# Altium PCB Slave.PcbDoc (part 11 of 12)
Units mm, origin at the board's own origin, x right, y up, seen from the top; angles counter-clockwise.
Board outline 380 x 63 mm, 4 copper layers (Top Copper, Signal Layer 1, Signal Layer 2, Bottom Copper), stack 1.586 mm thick; 265 components, 193 nets, 745 pads, 28205 vias.
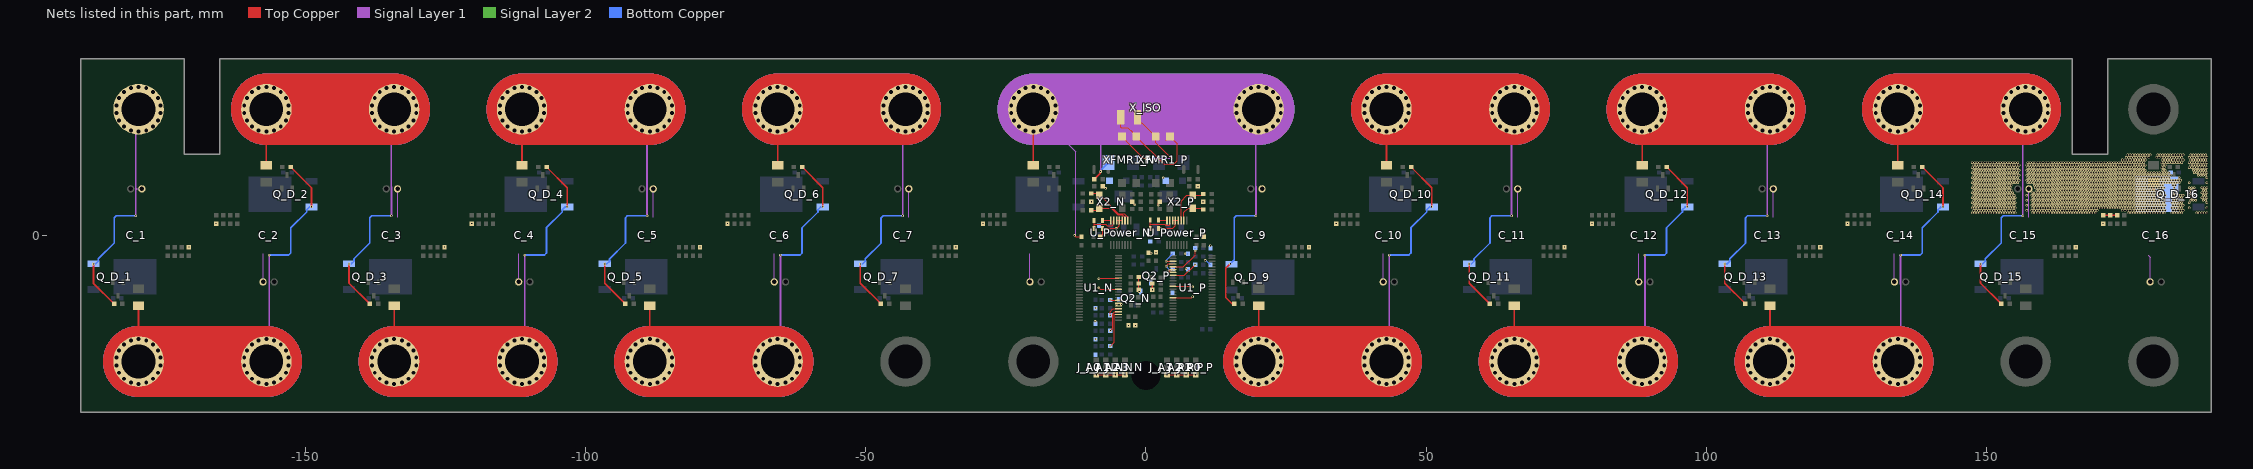
[diagram p13: the nets of this part, all layers, seen from the top]

## Via types
v1: diameter 0.45, hole 0.297, Top Copper to Bottom Copper, tented both sides, 27372 vias
v2: diameter 1, hole 0.7, Top Copper to Bottom Copper, 576 vias
v3: diameter 0.45, hole 0.2, Top Copper to Bottom Copper, 257 vias

## Nets (pads, with @x,y where several pads share a name; then routed paths per layer and width w, separated by ;. In a path a pad name is that pad's centre, name@x,y a point inside that pad or via, vN(x,y) a via of type N, cw(c..) or ccw(c..) an arc to the next point about the centre after c; other vN are vias at no path point) (continued)
F_16: C_V_16.2 F_V_16.2 PTC_16.2 Q_D_16.2 R_D_LED_16.2 R_Input_16.1 | length 3.9
  Top Copper w0.254: C_V_16.2@170.75,3.6 R_Input_16.1@172,3.6 R_D_LED_16.2@173.25,3.6
  Top Copper w0.305: v1@179.725,8.1 F_V_16.2@179.725,9.48
  other v1: 147.399,4 147.849,4 148.299,4 148.749,4 149.199,4 149.649,4 150.099,4 150.549,4 150.999,4 151.449,4 151.899,4 152.349,4 152.799,4 153.249,4 153.699,4 154.149,4 154.599,4 155.049,4 158.199,4 158.649,4 159.099,4 159.549,4 159.999,4 160.449,4 160.899,4 161.349,4 161.799,4 162.249,4 162.699,4 163.149,4 163.599,4 164.049,4 164.499,4 164.949,4 165.399,4 165.849,4 166.299,4 166.749,4 167.199,4 167.649,4 168.099,4 168.549,4 168.999,4 169.449,4 175.299,4 175.749,4 176.199,4 176.649,4 177.099,4 177.549,4 177.999,4 178.449,4 178.899,4 179.349,4 179.799,4 180.249,4 180.699,4 181.149,4 181.599,4 182.949,4 183.399,4 183.849,4 184.299,4 184.749,4 187.449,4 187.899,4 188.349,4 188.799,4 189.249,4 147.624,4.45 148.074,4.45 148.524,4.45 148.974,4.45 149.424,4.45 149.874,4.45 150.324,4.45 150.774,4.45 151.224,4.45 151.674,4.45 152.124,4.45 152.574,4.45 153.024,4.45 153.474,4.45 153.924,4.45 154.374,4.45 154.824,4.45 157.074,4.45 157.974,4.45 158.424,4.45 158.874,4.45 159.324,4.45 159.774,4.45 160.224,4.45 160.674,4.45 161.124,4.45 161.574,4.45 162.024,4.45 162.474,4.45 162.924,4.45 163.374,4.45 163.824,4.45 164.274,4.45 164.724,4.45 165.174,4.45 165.624,4.45 166.074,4.45 166.524,4.45 166.974,4.45 167.424,4.45 167.874,4.45 168.324,4.45 168.774,4.45 169.224,4.45 169.674,4.45 174.174,4.45 174.624,4.45 175.074,4.45 175.524,4.45 175.974,4.45 176.424,4.45 176.874,4.45 177.324,4.45 177.774,4.45 178.224,4.45 178.674,4.45 179.124,4.45 179.574,4.45 180.024,4.45 180.474,4.45 180.924,4.45 181.374,4.45 181.824,4.45 183.174,4.45 183.624,4.45 184.074,4.45 184.524,4.45 184.974,4.45 147.399,4.9 147.849,4.9 148.299,4.9 148.749,4.9 149.199,4.9 149.649,4.9 150.099,4.9 150.549,4.9 150.999,4.9 151.449,4.9 151.899,4.9 152.349,4.9 152.799,4.9 153.249,4.9 153.699,4.9 154.149,4.9 154.599,4.9 155.049,4.9 158.199,4.9 158.649,4.9 159.099,4.9 159.549,4.9 159.999,4.9 160.449,4.9 160.899,4.9 161.349,4.9 161.799,4.9 162.249,4.9 162.699,4.9 163.149,4.9 163.599,4.9 164.049,4.9 164.499,4.9 164.949,4.9 165.399,4.9 165.849,4.9 166.299,4.9 166.749,4.9 167.199,4.9 167.649,4.9 168.099,4.9 168.549,4.9 168.999,4.9 169.449,4.9 169.899,4.9 170.349,4.9 170.799,4.9 171.249,4.9 171.699,4.9 172.149,4.9 172.599,4.9 173.049,4.9 173.499,4.9 173.949,4.9 174.399,4.9 174.849,4.9 175.299,4.9 175.749,4.9 176.199,4.9 176.649,4.9 177.099,4.9 177.549,4.9 177.999,4.9 178.449,4.9 178.899,4.9 179.349,4.9 179.799,4.9 180.249,4.9 180.699,4.9 181.149,4.9 181.599,4.9 182.949,4.9 183.399,4.9 183.849,4.9 184.299,4.9 184.749,4.9 186.099,4.9 189.249,4.9 147.624,5.35 148.074,5.35 148.524,5.35 148.974,5.35 149.424,5.35 149.874,5.35 150.324,5.35 150.774,5.35 151.224,5.35 151.674,5.35 152.124,5.35 152.574,5.35 153.024,5.35 153.474,5.35 153.924,5.35 154.374,5.35 154.824,5.35 157.074,5.35 157.974,5.35 158.424,5.35 158.874,5.35 159.324,5.35 159.774,5.35 160.224,5.35 160.674,5.35 161.124,5.35 161.574,5.35 162.024,5.35 162.474,5.35 162.924,5.35 163.374,5.35 163.824,5.35 164.274,5.35 164.724,5.35 165.174,5.35 165.624,5.35 166.074,5.35 166.524,5.35 166.974,5.35 167.424,5.35 167.874,5.35 168.324,5.35 168.774,5.35 169.224,5.35 169.674,5.35 170.124,5.35 170.574,5.35 171.024,5.35 171.474,5.35 171.924,5.35 172.374,5.35 172.824,5.35 173.274,5.35 173.724,5.35 174.174,5.35 174.624,5.35 175.074,5.35 175.524,5.35 175.974,5.35 176.424,5.35 176.874,5.35 177.324,5.35 177.774,5.35 178.224,5.35 178.674,5.35 179.124,5.35 179.574,5.35 180.024,5.35 180.474,5.35 180.924,5.35 181.374,5.35 181.824,5.35 183.174,5.35 183.624,5.35 184.074,5.35 184.524,5.35 184.974,5.35 147.399,5.8 147.849,5.8 148.299,5.8 148.749,5.8 149.199,5.8 149.649,5.8 150.099,5.8 150.549,5.8 150.999,5.8 151.449,5.8 151.899,5.8 152.349,5.8 152.799,5.8 153.249,5.8 153.699,5.8 154.149,5.8 154.599,5.8 155.049,5.8 158.199,5.8 158.649,5.8 159.099,5.8 159.549,5.8 159.999,5.8 160.449,5.8 160.899,5.8 161.349,5.8 161.799,5.8 162.249,5.8 162.699,5.8 163.149,5.8 163.599,5.8 164.049,5.8 164.499,5.8 164.949,5.8 165.399,5.8 165.849,5.8 166.299,5.8 166.749,5.8 167.199,5.8 167.649,5.8 168.099,5.8 168.549,5.8 168.999,5.8 169.449,5.8 169.899,5.8 170.349,5.8 170.799,5.8 171.249,5.8 171.699,5.8 172.149,5.8 172.599,5.8 173.049,5.8 173.499,5.8 173.949,5.8 174.399,5.8 174.849,5.8 175.299,5.8 175.749,5.8 176.199,5.8 176.649,5.8 177.099,5.8 177.549,5.8 177.999,5.8 178.449,5.8 178.899,5.8 179.349,5.8 179.799,5.8 180.249,5.8 180.699,5.8 181.149,5.8 181.599,5.8 182.949,5.8 183.399,5.8 183.849,5.8 184.299,5.8 184.749,5.8 186.099,5.8 189.249,5.8 147.624,6.25 148.074,6.25 148.524,6.25 148.974,6.25 149.424,6.25 149.874,6.25 150.324,6.25 150.774,6.25 151.224,6.25 151.674,6.25 152.124,6.25 152.574,6.25 153.024,6.25 153.474,6.25 153.924,6.25 154.374,6.25 154.824,6.25 157.074,6.25 157.974,6.25 158.424,6.25 158.874,6.25 159.324,6.25 159.774,6.25 160.224,6.25 160.674,6.25 161.124,6.25 161.574,6.25 162.024,6.25 162.474,6.25 162.924,6.25 163.374,6.25 163.824,6.25 164.274,6.25 164.724,6.25 165.174,6.25 165.624,6.25 166.074,6.25 166.524,6.25 166.974,6.25 167.424,6.25 167.874,6.25 168.324,6.25 168.774,6.25 169.224,6.25 169.674,6.25 170.124,6.25 170.574,6.25 171.024,6.25 171.474,6.25 171.924,6.25 172.374,6.25 172.824,6.25 173.274,6.25 173.724,6.25 174.174,6.25 174.624,6.25 175.074,6.25 175.524,6.25 175.974,6.25 176.424,6.25 176.874,6.25 177.324,6.25 177.774,6.25 178.224,6.25 178.674,6.25 179.124,6.25 179.574,6.25 180.024,6.25 180.474,6.25 180.924,6.25 181.374,6.25 181.824,6.25 183.174,6.25 183.624,6.25 184.074,6.25 184.524,6.25 184.974,6.25 186.324,6.25 186.774,6.25 187.224,6.25 188.574,6.25 189.024,6.25 147.399,6.7 147.849,6.7 148.299,6.7 148.749,6.7 149.199,6.7 149.649,6.7 150.099,6.7 150.549,6.7 150.999,6.7 151.449,6.7 151.899,6.7 152.349,6.7 152.799,6.7 153.249,6.7 153.699,6.7 154.149,6.7 154.599,6.7 155.049,6.7 158.199,6.7 158.649,6.7 159.099,6.7 159.549,6.7 159.999,6.7 160.449,6.7 160.899,6.7 161.349,6.7 161.799,6.7 162.249,6.7 162.699,6.7 163.149,6.7 163.599,6.7 164.049,6.7 164.499,6.7 164.949,6.7 165.399,6.7 165.849,6.7 166.299,6.7 166.749,6.7 167.199,6.7 167.649,6.7 168.099,6.7 168.549,6.7 168.999,6.7 169.449,6.7 169.899,6.7 170.349,6.7 170.799,6.7 171.249,6.7 171.699,6.7 172.149,6.7 172.599,6.7 173.049,6.7 173.499,6.7 173.949,6.7 174.399,6.7 174.849,6.7 175.299,6.7 175.749,6.7 176.199,6.7 176.649,6.7 177.099,6.7 177.549,6.7 177.999,6.7 178.449,6.7 178.899,6.7 179.349,6.7 179.799,6.7 180.249,6.7 180.699,6.7 181.149,6.7 181.599,6.7 182.949,6.7 183.399,6.7 183.849,6.7 184.299,6.7 184.749,6.7 186.099,6.7 186.549,6.7 186.999,6.7 188.349,6.7 188.799,6.7 189.249,6.7 147.624,7.15 148.074,7.15 148.524,7.15 148.974,7.15 149.424,7.15 149.874,7.15 150.324,7.15 150.774,7.15 151.224,7.15 151.674,7.15 152.124,7.15 152.574,7.15 153.024,7.15 153.474,7.15 153.924,7.15 154.374,7.15 154.824,7.15 157.074,7.15 157.974,7.15 158.424,7.15 158.874,7.15 159.324,7.15 159.774,7.15 160.224,7.15 160.674,7.15 161.124,7.15 161.574,7.15 162.024,7.15 162.474,7.15 162.924,7.15 163.374,7.15 163.824,7.15 164.274,7.15 164.724,7.15 165.174,7.15 165.624,7.15 166.074,7.15 166.524,7.15 166.974,7.15 167.424,7.15 167.874,7.15 168.324,7.15 168.774,7.15 169.224,7.15 169.674,7.15 170.124,7.15 170.574,7.15 171.024,7.15 171.474,7.15 171.924,7.15 172.374,7.15 172.824,7.15 173.274,7.15 173.724,7.15 174.174,7.15 174.624,7.15 175.074,7.15 175.524,7.15 175.974,7.15 176.424,7.15 176.874,7.15 177.324,7.15 177.774,7.15 178.224,7.15 178.674,7.15 179.124,7.15 179.574,7.15 180.024,7.15 180.474,7.15 180.924,7.15 181.374,7.15 181.824,7.15 183.174,7.15 183.624,7.15 184.074,7.15 184.524,7.15 184.974,7.15 186.324,7.15 186.774,7.15 187.224,7.15 188.574,7.15 189.024,7.15 147.399,7.6 147.849,7.6 148.299,7.6 148.749,7.6 149.199,7.6 149.649,7.6 150.099,7.6 150.549,7.6 150.999,7.6 151.449,7.6 151.899,7.6 152.349,7.6 152.799,7.6 153.249,7.6 153.699,7.6 154.149,7.6 154.599,7.6 158.199,7.6 158.649,7.6 159.099,7.6 159.549,7.6 159.999,7.6 160.449,7.6 160.899,7.6 161.349,7.6 161.799,7.6 162.249,7.6 162.699,7.6 163.149,7.6 163.599,7.6 164.049,7.6 164.499,7.6 164.949,7.6 165.399,7.6 165.849,7.6 166.299,7.6 166.749,7.6 167.199,7.6 167.649,7.6 168.099,7.6 168.549,7.6 168.999,7.6 169.449,7.6 169.899,7.6 170.349,7.6 170.799,7.6 171.249,7.6 171.699,7.6 172.149,7.6 172.599,7.6 173.049,7.6 173.499,7.6 173.949,7.6 174.399,7.6 174.849,7.6 175.299,7.6 175.749,7.6 176.199,7.6 176.649,7.6 177.099,7.6 177.549,7.6 177.999,7.6 178.449,7.6 178.899,7.6 179.349,7.6 179.799,7.6 180.249,7.6 180.699,7.6 181.149,7.6 181.599,7.6 183.399,7.6 186.099,7.6 186.549,7.6 186.999,7.6 188.349,7.6 188.799,7.6 189.249,7.6 147.624,8.05 148.074,8.05 148.524,8.05 148.974,8.05 149.424,8.05 149.874,8.05 150.324,8.05 150.774,8.05 151.224,8.05 151.674,8.05 152.124,8.05 152.574,8.05 153.024,8.05 153.474,8.05 153.924,8.05 154.374,8.05 158.874,8.05 159.324,8.05 159.774,8.05 160.224,8.05 160.674,8.05 161.124,8.05 161.574,8.05 162.024,8.05 162.474,8.05 162.924,8.05 163.374,8.05 163.824,8.05 164.274,8.05 164.724,8.05 165.174,8.05 165.624,8.05 166.074,8.05 166.524,8.05 166.974,8.05 167.424,8.05 167.874,8.05 168.324,8.05 168.774,8.05 169.224,8.05 169.674,8.05 170.124,8.05 170.574,8.05 171.024,8.05 171.474,8.05 171.924,8.05 172.374,8.05 172.824,8.05 173.274,8.05 173.724,8.05 174.174,8.05 174.624,8.05 175.074,8.05 175.524,8.05 175.974,8.05 176.424,8.05 176.874,8.05 177.324,8.05 177.774,8.05 178.224,8.05 178.674,8.05 179.124,8.05 179.574,8.05 180.024,8.05 180.474,8.05 180.924,8.05 181.374,8.05 183.174,8.05 183.624,8.05 186.324,8.05 186.774,8.05 187.224,8.05 188.574,8.05 189.024,8.05 147.399,8.5 147.849,8.5 148.299,8.5 148.749,8.5 149.199,8.5 149.649,8.5 150.099,8.5 150.549,8.5 150.999,8.5 151.449,8.5 151.899,8.5 152.349,8.5 152.799,8.5 153.249,8.5 153.699,8.5 154.149,8.5 158.649,8.5 159.099,8.5 159.549,8.5 159.999,8.5 160.449,8.5 160.899,8.5 161.349,8.5 161.799,8.5 162.249,8.5 162.699,8.5 163.149,8.5 163.599,8.5 164.049,8.5 164.499,8.5 164.949,8.5 165.399,8.5 165.849,8.5 166.299,8.5 166.749,8.5 167.199,8.5 167.649,8.5 168.099,8.5 168.549,8.5 168.999,8.5 169.449,8.5 169.899,8.5 170.349,8.5 170.799,8.5 171.249,8.5 171.699,8.5 172.149,8.5 172.599,8.5 173.049,8.5 173.499,8.5 173.949,8.5 174.399,8.5 174.849,8.5 175.299,8.5 175.749,8.5 176.199,8.5 176.649,8.5 177.099,8.5 177.549,8.5 177.999,8.5 178.449,8.5 178.899,8.5 179.349,8.5 179.799,8.5 180.249,8.5 180.699,8.5 181.149,8.5 181.599,8.5 183.399,8.5 186.099,8.5 186.549,8.5 186.999,8.5 188.349,8.5 188.799,8.5 189.249,8.5 147.624,8.95 148.074,8.95 148.524,8.95 148.974,8.95 149.424,8.95 149.874,8.95 150.324,8.95 150.774,8.95 151.224,8.95 151.674,8.95 152.124,8.95 152.574,8.95 153.024,8.95 153.474,8.95 153.924,8.95 154.374,8.95 158.424,8.95 158.874,8.95 159.324,8.95 159.774,8.95 160.224,8.95 160.674,8.95 161.124,8.95 161.574,8.95 162.024,8.95 162.474,8.95 162.924,8.95 163.374,8.95 163.824,8.95 164.274,8.95 164.724,8.95 165.174,8.95 165.624,8.95 166.074,8.95 166.524,8.95 166.974,8.95 167.424,8.95 167.874,8.95 168.324,8.95 168.774,8.95 169.224,8.95 169.674,8.95 170.124,8.95 170.574,8.95 171.024,8.95 171.474,8.95 171.924,8.95 172.374,8.95 172.824,8.95 173.274,8.95 173.724,8.95 174.174,8.95 174.624,8.95 175.074,8.95 175.524,8.95 175.974,8.95 176.424,8.95 176.874,8.95 177.324,8.95 177.774,8.95 178.224,8.95 178.674,8.95 179.124,8.95 179.574,8.95 180.024,8.95 180.474,8.95 180.924,8.95 181.374,8.95 183.174,8.95 183.624,8.95 147.399,9.4 147.849,9.4 148.299,9.4 148.749,9.4 149.199,9.4 149.649,9.4 150.099,9.4 150.549,9.4 150.999,9.4 151.449,9.4 151.899,9.4 152.349,9.4 152.799,9.4 153.249,9.4 153.699,9.4 154.149,9.4 154.599,9.4 155.049,9.4 155.499,9.4 157.299,9.4 157.749,9.4 158.199,9.4 158.649,9.4 159.099,9.4 159.549,9.4 159.999,9.4 160.449,9.4 160.899,9.4 161.349,9.4 161.799,9.4 162.249,9.4 162.699,9.4 163.149,9.4 163.599,9.4 164.049,9.4 164.499,9.4 164.949,9.4 165.399,9.4 165.849,9.4 166.299,9.4 166.749,9.4 167.199,9.4 167.649,9.4 168.099,9.4 168.549,9.4 168.999,9.4 169.449,9.4 169.899,9.4 170.349,9.4 170.799,9.4 171.249,9.4 171.699,9.4 172.149,9.4 172.599,9.4 173.049,9.4 173.499,9.4 173.949,9.4 174.399,9.4 174.849,9.4 175.299,9.4 175.749,9.4 176.199,9.4 176.649,9.4 177.099,9.4 177.549,9.4 177.999,9.4 178.449,9.4 178.899,9.4 179.349,9.4 179.799,9.4 180.249,9.4 180.699,9.4 181.149,9.4 181.599,9.4 182.049,9.4 182.499,9.4 182.949,9.4 183.399,9.4 183.849,9.4 184.299,9.4 186.099,9.4 189.249,9.4 147.624,9.85 148.074,9.85 148.524,9.85 148.974,9.85 149.424,9.85 149.874,9.85 150.324,9.85 150.774,9.85 151.224,9.85 151.674,9.85 152.124,9.85 152.574,9.85 153.024,9.85 153.474,9.85 153.924,9.85 154.374,9.85 154.824,9.85 155.274,9.85 155.724,9.85 157.074,9.85 157.524,9.85 157.974,9.85 158.424,9.85 158.874,9.85 159.324,9.85 159.774,9.85 160.224,9.85 160.674,9.85 161.124,9.85 161.574,9.85 162.024,9.85 162.474,9.85 162.924,9.85 163.374,9.85 163.824,9.85 164.274,9.85 164.724,9.85 165.174,9.85 165.624,9.85 166.074,9.85 166.524,9.85 166.974,9.85 167.424,9.85 167.874,9.85 168.324,9.85 168.774,9.85 169.224,9.85 169.674,9.85 170.124,9.85 170.574,9.85 171.024,9.85 171.474,9.85 171.924,9.85 172.374,9.85 172.824,9.85 173.274,9.85 173.724,9.85 174.174,9.85 174.624,9.85 175.074,9.85 175.524,9.85 175.974,9.85 176.424,9.85 176.874,9.85 177.324,9.85 177.774,9.85 178.224,9.85 178.674,9.85 179.124,9.85 179.574,9.85 180.024,9.85 180.474,9.85 180.924,9.85 181.374,9.85 181.824,9.85 182.274,9.85 182.724,9.85 183.174,9.85 183.624,9.85 184.074,9.85 184.524,9.85 147.399,10.3 147.849,10.3 148.299,10.3 148.749,10.3 149.199,10.3 149.649,10.3 150.099,10.3 150.549,10.3 150.999,10.3 151.449,10.3 151.899,10.3 152.349,10.3 152.799,10.3 153.249,10.3 153.699,10.3 154.149,10.3 154.599,10.3 155.049,10.3 155.499,10.3 157.299,10.3 157.749,10.3 158.199,10.3 158.649,10.3 159.099,10.3 159.549,10.3 159.999,10.3 160.449,10.3 160.899,10.3 161.349,10.3 161.799,10.3 162.249,10.3 162.699,10.3 163.149,10.3 163.599,10.3 164.049,10.3 164.499,10.3 164.949,10.3 165.399,10.3 165.849,10.3 166.299,10.3 166.749,10.3 167.199,10.3 167.649,10.3 168.099,10.3 168.549,10.3 168.999,10.3 169.449,10.3 169.899,10.3 170.349,10.3 170.799,10.3 171.249,10.3 171.699,10.3 172.149,10.3 172.599,10.3 173.049,10.3 173.499,10.3 173.949,10.3 174.399,10.3 174.849,10.3 175.299,10.3 175.749,10.3 176.199,10.3 176.649,10.3 177.099,10.3 177.549,10.3 177.999,10.3 178.449,10.3 178.899,10.3 179.349,10.3 179.799,10.3 180.249,10.3 180.699,10.3 181.149,10.3 181.599,10.3 182.049,10.3 182.499,10.3 184.299,10.3 189.249,10.3 147.624,10.75 148.074,10.75 148.524,10.75 148.974,10.75 149.424,10.75 149.874,10.75 150.324,10.75 150.774,10.75 151.224,10.75 151.674,10.75 152.124,10.75 152.574,10.75 153.024,10.75 153.474,10.75 153.924,10.75 154.374,10.75 154.824,10.75 155.274,10.75 155.724,10.75 157.074,10.75 157.524,10.75 157.974,10.75 158.424,10.75 158.874,10.75 159.324,10.75 159.774,10.75 160.224,10.75 160.674,10.75 161.124,10.75 161.574,10.75 162.024,10.75 162.474,10.75 162.924,10.75 163.374,10.75 163.824,10.75 164.274,10.75 164.724,10.75 165.174,10.75 165.624,10.75 166.074,10.75 166.524,10.75 166.974,10.75 167.424,10.75 167.874,10.75 168.324,10.75 168.774,10.75 169.224,10.75 169.674,10.75 170.124,10.75 170.574,10.75 171.024,10.75 171.474,10.75 171.924,10.75 172.374,10.75 172.824,10.75 173.274,10.75 173.724,10.75 174.174,10.75 174.624,10.75 175.074,10.75 175.524,10.75 175.974,10.75 176.424,10.75 176.874,10.75 177.324,10.75 177.774,10.75 178.224,10.75 178.674,10.75 179.124,10.75 179.574,10.75 180.024,10.75 180.474,10.75 180.924,10.75 181.374,10.75 181.824,10.75 182.274,10.75 182.724,10.75 187.674,10.75 188.124,10.75 188.574,10.75 189.024,10.75 147.399,11.2 147.849,11.2 148.299,11.2 148.749,11.2 149.199,11.2 149.649,11.2 150.099,11.2 150.549,11.2 150.999,11.2 151.449,11.2 151.899,11.2 152.349,11.2 152.799,11.2 153.249,11.2 153.699,11.2 154.149,11.2 154.599,11.2 155.049,11.2 155.499,11.2 157.299,11.2 157.749,11.2 158.199,11.2 158.649,11.2 159.099,11.2 159.549,11.2 159.999,11.2 160.449,11.2 160.899,11.2 161.349,11.2 161.799,11.2 162.249,11.2 162.699,11.2 163.149,11.2 163.599,11.2 164.049,11.2 164.499,11.2 164.949,11.2 165.399,11.2 165.849,11.2 166.299,11.2 166.749,11.2 167.199,11.2 167.649,11.2 168.099,11.2 168.549,11.2 168.999,11.2 169.449,11.2 169.899,11.2 170.349,11.2 170.799,11.2 171.249,11.2 171.699,11.2 172.149,11.2 172.599,11.2 173.049,11.2 173.499,11.2 173.949,11.2 174.399,11.2 174.849,11.2 175.299,11.2 175.749,11.2 176.199,11.2 176.649,11.2 177.099,11.2 177.549,11.2 177.999,11.2 178.449,11.2 178.899,11.2 179.349,11.2 179.799,11.2 180.249,11.2 180.699,11.2 181.149,11.2 181.599,11.2 182.049,11.2 182.499,11.2 186.999,11.2 187.449,11.2 187.899,11.2 188.349,11.2 188.799,11.2 189.249,11.2 147.624,11.65 148.074,11.65 148.524,11.65 148.974,11.65 149.424,11.65 149.874,11.65 150.324,11.65 150.774,11.65 151.224,11.65 151.674,11.65 152.124,11.65 152.574,11.65 153.024,11.65 153.474,11.65 153.924,11.65 154.374,11.65 154.824,11.65 155.274,11.65 155.724,11.65 157.074,11.65 157.524,11.65 157.974,11.65 158.424,11.65 158.874,11.65 159.324,11.65 159.774,11.65 160.224,11.65 160.674,11.65 161.124,11.65 161.574,11.65 162.024,11.65 162.474,11.65 162.924,11.65 163.374,11.65 163.824,11.65 164.274,11.65 164.724,11.65 165.174,11.65 165.624,11.65 166.074,11.65 166.524,11.65 166.974,11.65 167.424,11.65 167.874,11.65 168.324,11.65 168.774,11.65 169.224,11.65 169.674,11.65 170.124,11.65 170.574,11.65 171.024,11.65 171.474,11.65 171.924,11.65 172.374,11.65 172.824,11.65 173.274,11.65 173.724,11.65 174.174,11.65 174.624,11.65 175.074,11.65 175.524,11.65 175.974,11.65 176.424,11.65 176.874,11.65 177.324,11.65 177.774,11.65 178.224,11.65 181.374,11.65 181.824,11.65 186.774,11.65 187.224,11.65 187.674,11.65 188.124,11.65 188.574,11.65 189.024,11.65 147.399,12.1 147.849,12.1 148.299,12.1 148.749,12.1 149.199,12.1 149.649,12.1 150.099,12.1 150.549,12.1 150.999,12.1 151.449,12.1 151.899,12.1 152.349,12.1 152.799,12.1 153.249,12.1 153.699,12.1 154.149,12.1 154.599,12.1 155.049,12.1 155.499,12.1 157.299,12.1 157.749,12.1 158.199,12.1 158.649,12.1 159.099,12.1 159.549,12.1 159.999,12.1 160.449,12.1 160.899,12.1 161.349,12.1 161.799,12.1 162.249,12.1 162.699,12.1 163.149,12.1 163.599,12.1 164.049,12.1 164.499,12.1 164.949,12.1 165.399,12.1 165.849,12.1 166.299,12.1 166.749,12.1 167.199,12.1 167.649,12.1 168.099,12.1 168.549,12.1 168.999,12.1 169.449,12.1 169.899,12.1 170.349,12.1 170.799,12.1 171.249,12.1 171.699,12.1 172.149,12.1 172.599,12.1 173.049,12.1 173.499,12.1 173.949,12.1 174.399,12.1 174.849,12.1 175.299,12.1 175.749,12.1 176.199,12.1 176.649,12.1 177.099,12.1 177.549,12.1 177.999,12.1 181.149,12.1 181.599,12.1 186.099,12.1 186.549,12.1 186.999,12.1 187.449,12.1 187.899,12.1 188.349,12.1 188.799,12.1 189.249,12.1 147.624,12.55 148.074,12.55 148.524,12.55 148.974,12.55 149.424,12.55 149.874,12.55 150.324,12.55 150.774,12.55 151.224,12.55 151.674,12.55 152.124,12.55 152.574,12.55 153.024,12.55 153.474,12.55 153.924,12.55 154.374,12.55 154.824,12.55 155.274,12.55 155.724,12.55 157.074,12.55 157.524,12.55 157.974,12.55 158.424,12.55 158.874,12.55 159.324,12.55 159.774,12.55 160.224,12.55 160.674,12.55 161.124,12.55 161.574,12.55 162.024,12.55 162.474,12.55 162.924,12.55 163.374,12.55 163.824,12.55 164.274,12.55 164.724,12.55 165.174,12.55 165.624,12.55 166.074,12.55 166.524,12.55 166.974,12.55 167.424,12.55 167.874,12.55 168.324,12.55 168.774,12.55 169.224,12.55 169.674,12.55 170.124,12.55 170.574,12.55 171.024,12.55 171.474,12.55 171.924,12.55 172.374,12.55 172.824,12.55 173.274,12.55 173.724,12.55 174.174,12.55 174.624,12.55 175.074,12.55 175.524,12.55 175.974,12.55 176.424,12.55 176.874,12.55 177.324,12.55 177.774,12.55 178.224,12.55 181.374,12.55 181.824,12.55 186.324,12.55 186.774,12.55 187.224,12.55 187.674,12.55 188.124,12.55 188.574,12.55 189.024,12.55 147.399,13 147.849,13 148.299,13 148.749,13 149.199,13 149.649,13 150.099,13 150.549,13 150.999,13 151.449,13 151.899,13 152.349,13 152.799,13 153.249,13 153.699,13 154.149,13 154.599,13 155.049,13 155.499,13 157.299,13 157.749,13 158.199,13 158.649,13 159.099,13 159.549,13 159.999,13 160.449,13 160.899,13 161.349,13 161.799,13 162.249,13 162.699,13 163.149,13 163.599,13 164.049,13 164.499,13 164.949,13 165.399,13 165.849,13 166.299,13 166.749,13 167.199,13 167.649,13 168.099,13 168.549,13 168.999,13 169.449,13 169.899,13 170.349,13 170.799,13 171.249,13 171.699,13 172.149,13 172.599,13 173.049,13 173.499,13 173.949,13 174.399,13 174.849,13 175.299,13 175.749,13 176.199,13 176.649,13 177.099,13 177.549,13 177.999,13 181.149,13 181.599,13 182.049,13 182.499,13 182.949,13 183.399,13 183.849,13 184.299,13 184.749,13 186.099,13 186.549,13 186.999,13 187.449,13 187.899,13 188.349,13 188.799,13 189.249,13 174.174,13.45 174.624,13.45 175.074,13.45 175.524,13.45 175.974,13.45 176.424,13.45 176.874,13.45 177.324,13.45 177.774,13.45 178.224,13.45 181.374,13.45 181.824,13.45 182.274,13.45 182.724,13.45 183.174,13.45 183.624,13.45 184.074,13.45 184.524,13.45 184.974,13.45 186.324,13.45 186.774,13.45 187.224,13.45 187.674,13.45 188.124,13.45 188.574,13.45 189.024,13.45 174.849,13.9 175.299,13.9 175.749,13.9 176.199,13.9 176.649,13.9 177.099,13.9 177.549,13.9 177.999,13.9 178.449,13.9 178.899,13.9 180.249,13.9 180.699,13.9 181.149,13.9 181.599,13.9 182.049,13.9 182.499,13.9 182.949,13.9 183.399,13.9 183.849,13.9 184.299,13.9 184.749,13.9 186.099,13.9 186.549,13.9 186.999,13.9 187.449,13.9 187.899,13.9 188.349,13.9 188.799,13.9 189.249,13.9 175.074,14.35 175.524,14.35 175.974,14.35 176.424,14.35 176.874,14.35 177.324,14.35 177.774,14.35 178.224,14.35 178.674,14.35 179.124,14.35 180.474,14.35 180.924,14.35 181.374,14.35 181.824,14.35 182.274,14.35 182.724,14.35 183.174,14.35 183.624,14.35 184.074,14.35 184.524,14.35 184.974,14.35 186.324,14.35 186.774,14.35 187.224,14.35 187.674,14.35 188.124,14.35 188.574,14.35 189.024,14.35
GPIO1_N: R_Temp1_N.2 U1_N.27 | length 6.7
  Top Copper w0.102: v3(-6.4,-19.75) -5.7,-19.05 -5.7,-14.175 -5.625,-14.1 U1_N.27@-4.9,-14.1
GPIO1_P: R_Temp1_P.2 U1_P.27 | length 3
  Top Copper w0.102: v3(3.6,-4.6) U1_P.27@4.8,-4.6
  Bottom Copper w0.102: v3(3.6,-4.6) 3.665,-4.535 3.665,-4.335 4.401,-3.599 4.401,-3.574 4.725,-3.25 R_Temp1_P.2@4.75,-3.25